# Altium PCB Drivers-BodePlot.PcbDoc (part 1 of 2) (continued)
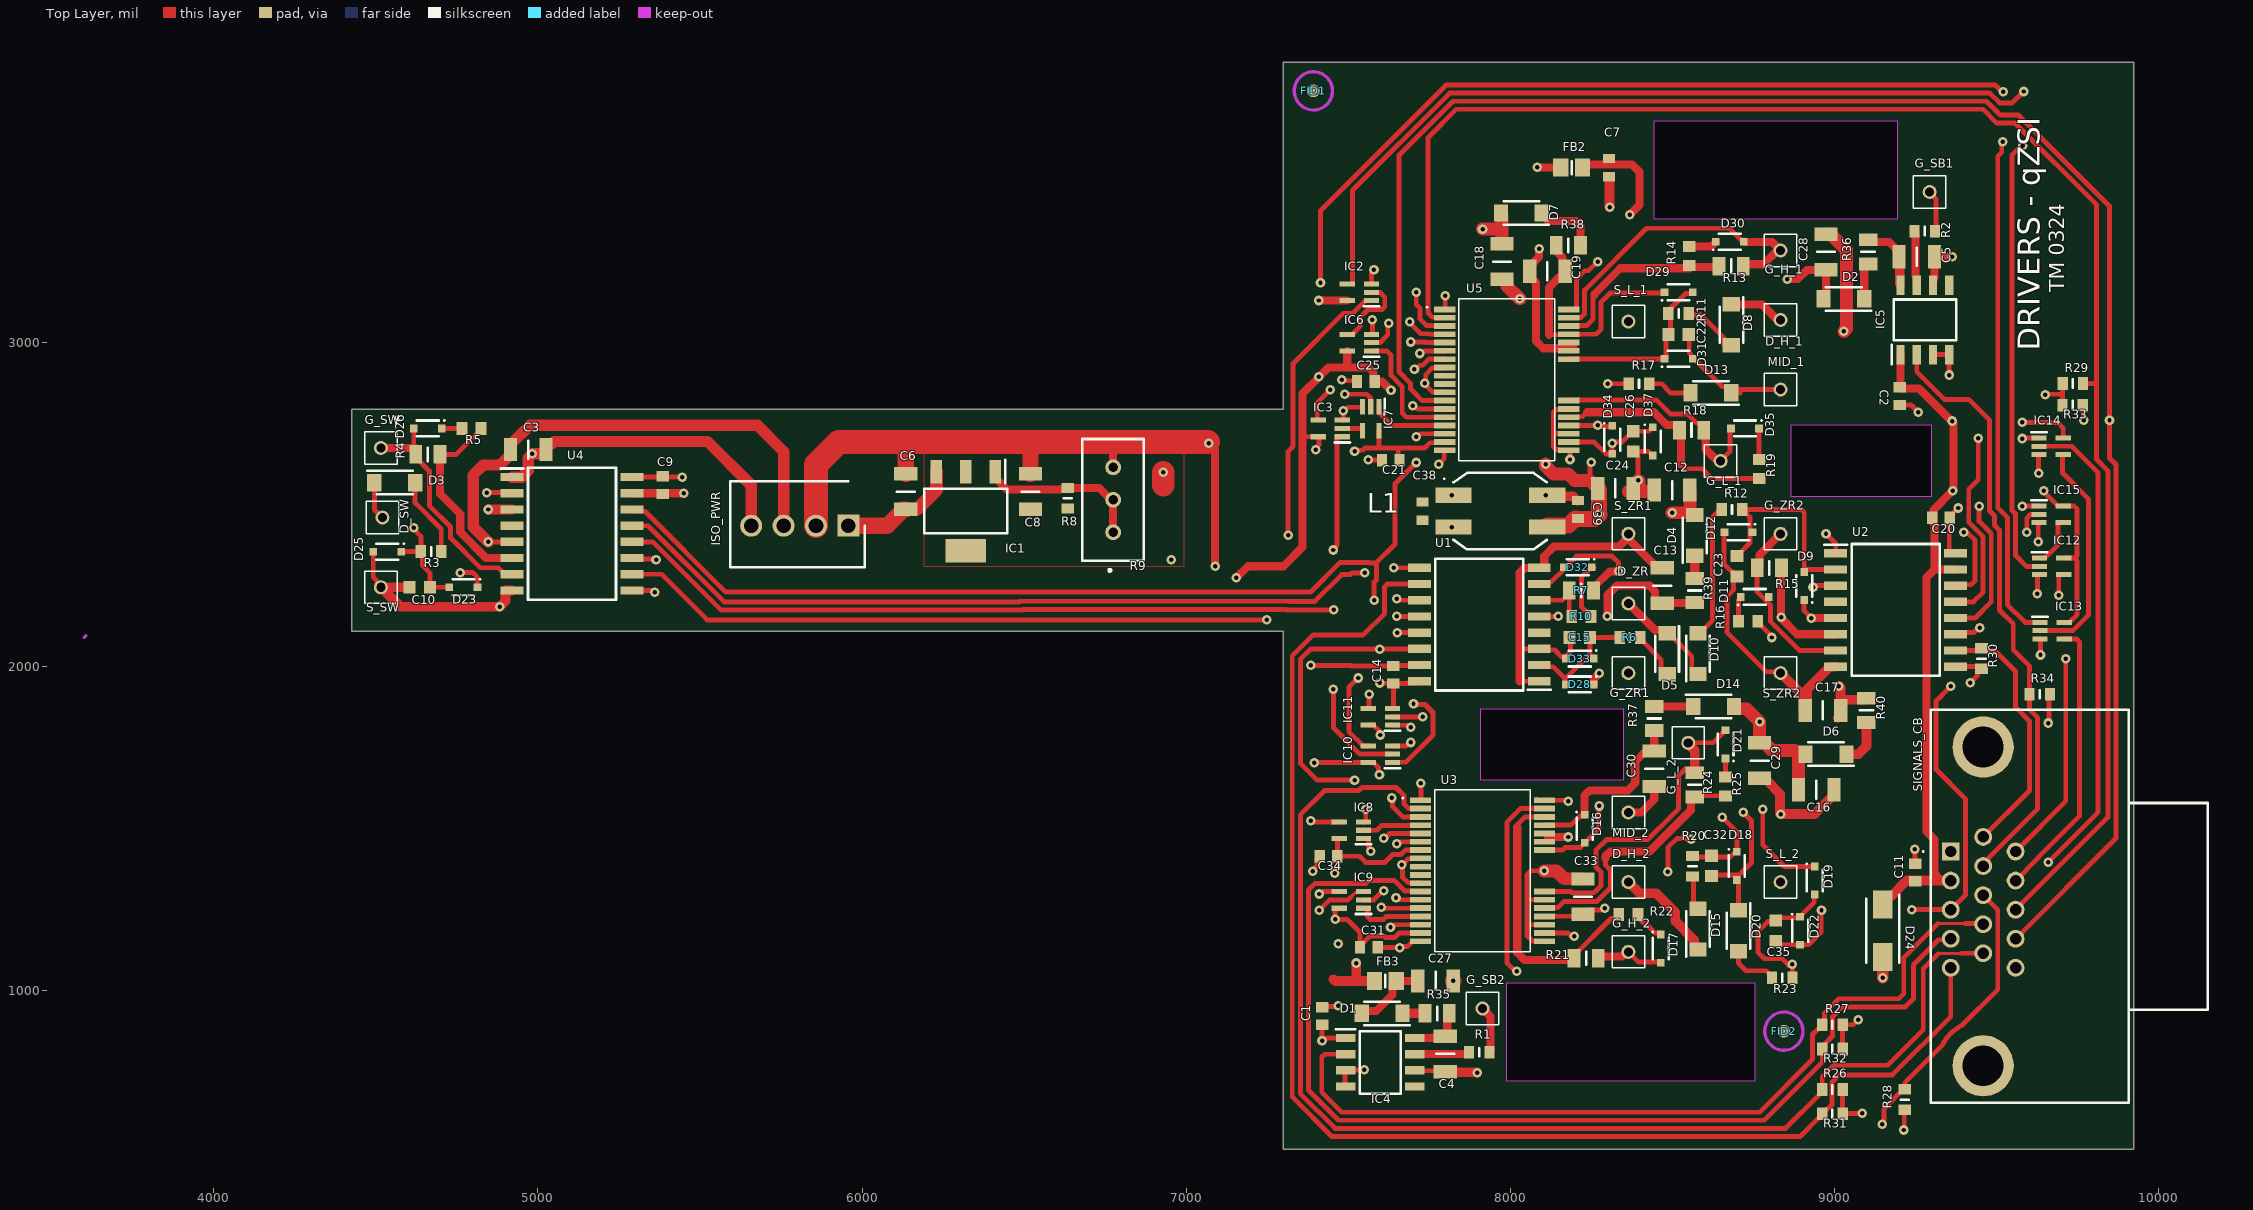
[diagram p0: Top Layer view]
## Components (designator, comment, footprint, x,y, rotation, side; value= is the part's Value field where it differs from the comment)
C1 "100n" CAPC1608X95N 7420,922.17 r90 top
C2 "100n" CAPC1608X95N 9202.76,2834.65 r270 top
C3 "1u 50V 1206" CAPC3216X180N 4970,2670 r180 top value=1u
C4 "1u 50V 1206" CAPC3216X180N 7800,805 r90 top value=1u
C5 "1u 50V 1206" CAPC3216X180N 9255,3265 r180 top value=1u
C6 "1u 50V 1206" CAPC3216X180N 6135,2540 r270 top value=1u
C7 "CGA3E2X7R1H103K080AA" CAPC1608X90N 8305,3540 r270 top value=10n
C8 "1u 50V 1206" CAPC3216X180N 6520,2540 r270 top value=1u
C9 "100n" CAPC1608X95N 5385,2560 r90 top
C10 "220p" C0603 4635,2245 r0 top
C11 "100n" CAPC1608X95N 9250,1365 r90 top
C12 "1u 50V 1206" CAPC3216X180N 8500,2545 r0 top value=1u
C13 "1u 50V 1206" CAPC3216X180N 8470,2250 r270 top value=1u
C14 "100n" CAPC1608X95N 7640,1975 r270 top
C15 "220p" C0603 8215,2090 r0 top
C16 "1u 50V 1206" CAPC3216X180N 8945,1620 r180 top value=1u
C17 "1u 50V 1206" CAPC3216X180N 8965.28,1865 r0 top value=1u
C18 "1u 50V 1206" CAPC3216X180N 7975,3250 r90 top value=1u
C19 "1u 50V 1206" CAPC3216X180N 8115,3220 r0 top value=1u
C20 "100n" CAPC1608X95N 9330,2460 r0 top
C21 "100n" CAPC1608X95N 7631.83,2637 r180 top
C22 "220p" C0603 8520,3025 r180 top
C23 "220p" C0603 8700,2310 r90 top
C24 "1u 50V 1206" CAPC3216X180N 8325,2550 r180 top value=1u
C25 "100n" CAPC1608X95N 7555,2880 r180 top
C26 "220p" C0603 8380,2695 r90 top
C27 "1u 50V 1206" CAPC3216X180N 7770,1030 r180 top value=1u
C28 "1u 50V 1206" CAPC3216X180N 8975,3280 r270 top value=1u
C29 "1u 50V 1206" CAPC3216X180N 8770,1710 r90 top value=1u
C30 "1u 50V 1206" CAPC3216X180N 8445,1685 r90 top value=1u
C31 "100n" CAPC1608X95N 7564,1134 r0 top
C32 "220p" C0603 8622,1384.95 r90 top
C33 "1u 50V 1206" CAPC3216X180N 8225,1290 r270 top value=1u
C34 "100n" CAPC1608X95N 7440,1415 r180 top
C35 "220p" C0603 8820,1185 r90 top
C36 "C1206C102KGRACAUTO" C1206 8025,3540 r180 bottom
C37 "C1206C102KGRACAUTO" C1206 7517.74,1032.74 r180 bottom
C38 "CGA3E2X7R1H103K080AA" CAPC1608X90N 7730,2480 r90 top value=10n
C39 "CGA3E2X7R1H103K080AA" CAPC1608X90N 8210,2485 r90 top value=10n
C40 "C1206C102KGRACAUTO" C1206 7760,2530 r180 bottom
C41 "C1206C102KGRACAUTO" C1206 7761.26,2430.79 r180 bottom
D1 "FUS1ME" SODFL3718X120N 7605,930 r180 top
D2 "FUS1ME" SODFL3718X120N 9030,3135 r180 top
D3 "FUS1ME" SODFL3718X120N 4558,2568 r0 top
D4 "FUS1ME" SODFL3718X120N 8570,2405 r90 top
D5 "FUS1ME" SODFL3718X120N 8485,2040 r270 top
D6 "FUS1ME" SODFL3718X120N 8975,1730 r180 top
D7 "FUS1ME" SODFL3718X120N 8035,3400 r180 top
D8 "FUS1ME" SODFL3718X120N 8683,3055 r270 top
D9 "BAT165AX" BAT165AX 8908,2249 r90 top
D10 "FUS1ME" SODFL3718X120N 8580,2040 r90 top
D11 "BAT165AX" BAT165AX 8755,2215 r0 top
D12 "BAT165AX" BAT165AX 8705,2415 r180 top
D13 "FUS1ME" SODFL3718X120N 8620,2845 r180 top
D14 "FUS1ME" SODFL3718X120N 8628,1877 r0 top
D15 "FUS1ME" SODFL3718X120N 8580,1190 r90 top
D16 "BAT165AX" BAT165AX 8230,1500 r270 top
D17 "BAT165AX" BAT165AX 8465,1130 r270 top
D18 "BAT165AX" BAT165AX 8700,1385 r270 top
D19 "BAT165AX" BAT165AX 8940,1340 r270 top
D20 "FUS1ME" SODFL3718X120N 8705,1185 r270 top
D21 "BAT165AX" BAT165AX 8665,1760 r90 top
D22 "BAT165AX" BAT165AX 8895,1185 r270 top
D23 "BAT165AX" BAT165AX 4770,2245 r180 top
D24 "SMAJ5.0A" DIOM5026X229N 9150,1185 r270 top
D25 "BAT165AX" BAT165AX 4535,2355 r180 top
D26 "BAT165AX" BAT165AX 4660,2735 r180 top
D28 "BAT165AX" BAT165AX 8215,1945 r180 top
D29 "BAT165AX" BAT165AX 8520,3155 r0 top
D30 "BAT165AX" BAT165AX 8678,3311 r0 top
D31 "BAT165AX" BAT165AX 8520,2950 r0 top
D32 "BAT165AX" BAT165AX 8209,2307 r180 top
D33 "BAT165AX" BAT165AX 8215,2025 r180 top
D34 "BAT165AX" BAT165AX 8315,2700 r270 top
D35 "BAT165AX" BAT165AX 8725,2735 r180 top
D37 "BAT165AX" BAT165AX 8440,2695 r270 top
D_H_1 "SS-101-T-2" SS-101-XX-2 8835,3070 r90 top locked
D_H_2 "SS-101-T-2" SS-101-XX-2 8365,1335 r0 top locked
D_SW "D_SW" SS-101-XX-2 4520,2460 r0 top
D_ZR "SS-101-T-2" SS-101-XX-2 8365,2195 r270 top locked
FB2 "78279220601" BEADC2012X110N 8190,3540 r0 top
FB3 "78279220601" BEADC2012X110N 7615,1030 r0 top
FID1 "Fiducial" Fiducial 7393,3777 r0 top
FID2 "Fiducial" Fiducial 8845,875 r0 top
G_H_1 "SS-101-T-2" SS-101-XX-2 8835,3284.57 r90 top locked
G_H_2 "SS-101-T-2" SS-101-XX-2 8365,1120 r0 top locked
G_L_1 "SS-101-T-2" SS-101-XX-2 8650,2635 r90 top locked
G_L_2 "SS-101-T-2" SS-101-XX-2 8550,1765 r0 top locked
G_SB1 "SS-101-T-2" SS-101-XX-2 9295,3465 r90 top locked
G_SB2 "SS-101-T-2" SS-101-XX-2 7915,945 r0 top locked
G_SW "G_SW" SS-101-XX-2 4515,2675 r0 top
G_ZR1 "SS-101-T-2" SS-101-XX-2 8365,1980 r90 top locked
G_ZR2 "SS-101-T-2" SS-101-XX-2 8835,2410 r0 top locked
IC1 "NCP1117LPSTADT3G" SOT230P700X180-4N 6320,2480 r270 top
IC2 "74LVC1G08GW,125" SOT65P210X110-5N 7535,3155 r180 top
IC3 "74LVC1G08GW,125" SOT65P210X110-5N 7445,2735 r180 top
IC4 "IRS2101" SOIC127P600X175-8N 7599.23,779 r0 top
IC5 "IRS2101" SOIC127P600X175-8N 9280,3070 r90 top
IC6 "74LVC1G08GW,125" SOT65P210X110-5N 7535,3000 r180 top
IC7 "74LVC1G08GW,125" SOT65P210X110-5N 7570,2765 r270 top
IC8 "74LVC1G08GW,125" SOT65P210X110-5N 7510,1495 r180 top
IC9 "74LVC1G08GW,125" SOT65P210X110-5N 7510,1280 r180 top
IC10 "74LVC1G08GW,125" SOT65P210X110-5N 7600,1730 r180 top
IC11 "74LVC1G08GW,125" SOT65P210X110-5N 7600,1845 r180 top
IC12 "74LVC1G08GW,125" SOT65P210X110-5N 9671.4,2309.59 r0 top
IC13 "74LVC1G08GW,125" SOT65P210X110-5N 9673,2111 r0 top
IC14 "74LVC1G08GW,125" SOT65P210X110-5N 9670,2680 r0 top
IC15 "74LVC1G08GW,125" SOT65P210X110-5N 9670,2470 r0 top
ISO_PWR "3-647050-4" SHDR4W66P0X254_1X4_1016X635X1079P 5958,2435 r180 top
L1 "50105AC" 50105AC 7970,2480 r0 top
MID_1 "SS-101-T-2" SS-101-XX-2 8835,2855 r90 top locked
MID_2 "SS-101-T-2" SS-101-XX-2 8365,1550 r0 top locked
R1 "CRCW0603150RFKEBC" RESC1608X55N 7905,810 r0 top value=150
R2 "CRCW0603150RFKEBC" RESC1608X55N 9280,3344 r0 top value=150
R3 "CRCW06031K00FKEAC" RESC1608X55N 4670,2355 r0 top value=1k
R4 "4R7 0805" RESC2012X60N 4660,2655 r180 top value=4R7
R5 "CRCW060310R0FKEAHP" RESC1608X50N 4795,2735 r180 top value=10
R6 "CRCW06031K00FKEAC" RESC1608X55N 8370,2090 r0 top value=1k
R7 "4R7 0805" RESC2012X60N 8220,2235 r0 top value=4R7
R8 "CRCW0603220RFKEAC" RESC1608X55N 6635,2520 r90 top value=220
R9 "5k" 3296W-1 6775,2515 r90 top
R10 "CRCW060310R0FKEAHP" RESC1608X50N 8220,2155 r0 top value=10
R11 "CRCW06031K00FKEAC" RESC1608X55N 8520,3090 r0 top value=1k
R12 "CRCW06031K00FKEAC" RESC1608X55N 8685,2485 r180 top value=1k
R13 "4R7 0805" RESC2012X60N 8682,3236 r0 top value=4R7
R14 "CRCW060310R0FKEAHP" RESC1608X50N 8553,3267 r90 top value=10
R15 "4R7 0805" RESC2012X60N 8800,2305 r180 top value=4R7
R16 "CRCW060310R0FKEAHP" RESC1608X50N 8735,2140 r180 top value=10
R17 "CRCW06031K00FKEAC" RESC1608X55N 8398,2873 r0 top value=1k
R18 "4R7 0805" RESC2012X60N 8560,2730 r0 top value=4R7
R19 "CRCW060310R0FKEAHP" RESC1608X50N 8769,2610 r90 top value=10
R20 "CRCW06031K00FKEAC" RESC1608X55N 8563,1384 r270 top value=1k
R21 "4R7 0805" RESC2012X60N 8235,1100 r0 top value=4R7
R22 "CRCW060310R0FKEAHP" RESC1608X50N 8365,1235 r0 top value=10
R23 "CRCW06031K00FKEAC" RESC1608X55N 8840,1040 r180 top value=1k
R24 "4R7 0805" RESC2012X60N 8570,1635 r90 top value=4R7
R25 "CRCW060310R0FKEAHP" RESC1608X50N 8665,1630 r90 top value=10
R26 "RMC1_16K1002FTP" RESC1608X55N 8995,695 r180 top value=10k
R27 "RMC1_16K1002FTP" RESC1608X55N 8995,895 r180 top value=10k
R28 "RMC1_16K1002FTP" RESC1608X55N 9218,664 r90 top value=10k
R29 "RMC1_16K1002FTP" RESC1608X55N 9737,2874 r0 top value=10k
R30 "RMC1_16K1002FTP" RESC1608X55N 9455,2025 r90 top value=10k
R31 "RMC1_16K1002FTP" RESC1608X55N 8995,620 r180 top value=10k
R32 "RMC1_16K1002FTP" RESC1608X55N 8995,820 r180 top value=10k
R33 "RMC1_16K1002FTP" RESC1608X55N 9736,2807 r0 top value=10k
R34 "RMC1_16K1002FTP" RESC1608X55N 9635,1915 r180 top value=10k
R35 "4R7 0805" RESC2012X60N 7775,930 r0 top
R36 "4R7 0805" RESC2012X60N 9105,3280 r90 top
R37 "4R7 0805" RESC2012X60N 8445,1840 r270 top
R38 "4R7 0805" RESC2012X60N 8180,3300 r180 top
R39 "4R7 0805" RESC2012X60N 8570,2235 r270 top
R40 "4R7 0805" RESC2012X60N 9100,1865 r90 top
S_L_1 "SS-101-T-2" SS-101-XX-2 8365,3065 r90 top locked
S_L_2 "SS-101-T-2" SS-101-XX-2 8835,1335 r0 top locked
S_SW "S_SW" SS-101-XX-2 4515,2245 r0 top
S_ZR1 "SS-101-T-2" SS-101-XX-2 8365,2410 r90 top locked
S_ZR2 "SS-101-T-2" SS-101-XX-2 8835,1980 r0 top locked
SIGNALS_CB "ICD15S13E6GL00LF" ICD15S13E6GL00LF 9360,1429.53 r90 top locked
U1 "1ED020I12B2XUMA1" SOIC127P1028X264-16N 7905,2130 r180 top locked
U2 "1ED020I12B2XUMA1" SOIC127P1028X264-16N 9190,2175 r0 top locked
U3 "2ED020I12F2XUMA1" 2ED020I12F2XUMA1 7915,1370 r0 top locked
U4 "1ED020I12B2XUMA1" SOIC127P1028X264-16N 5105,2410 r0 top
U5 "2ED020I12F2XUMA1" 2ED020I12F2XUMA1 7990,2885 r0 top locked

## Footprints (in the part's own frame and the unit in brackets; to place one, negate y for a bottom-side part, rotate by r counter-clockwise, add the part's x,y. Pads: shape width x height; smd on the part's side, far side on the other; paste and mask are expansions set on the pad)
2ED020I12F2XUMA1 [mm]
  rect 1.67x0.45 smd: 1(-4.865,5.525) 2(-4.865,4.875) 3(-4.865,4.225) 4(-4.865,3.575) 5(-4.865,2.925) 6(-4.865,2.275) 7(-4.865,1.625) 8(-4.865,0.975) 9(-4.865,0.325) 10(-4.865,-0.325) 11(-4.865,-0.975) 12(-4.865,-1.625) 13(-4.865,-2.275) 14(-4.865,-2.925) 15(-4.865,-3.575) 16(-4.865,-4.225) 17(-4.865,-4.875) 18(-4.865,-5.525) 19(4.865,-5.525) 20(4.865,-4.875) 21(4.865,-4.225) 22(4.865,-3.575) 23(4.865,-2.925) 24(4.865,-2.275) 25(4.865,-1.625) 30(4.865,1.625) 31(4.865,2.275) 32(4.865,2.925) 33(4.865,3.575) 34(4.865,4.225) 35(4.865,4.875) 36(4.865,5.525)
  silkscreen extent -6.3,-6.35 3.75,6.35
3296W-1 [mm]
  round 1.24 hole 0.74: 1(-2.54,0) 2(0,0) 3(2.54,0)
  silkscreen extent -5.64,-2.41 4.76,2.41, body extent -4.78,-2.48 4.78,2.35, height 11.55
50105AC [mm]
  rect 2.85x1.2 smd: 1(-3.675,1.25) 2(3.675,1.25) 3(3.675,-1.25) 4(-3.675,-1.25)
  silkscreen extent -4.44,-3 3.65,3, body extent -4.98,-3 4.98,3, height 4.9
BAT165AX [mm]
  rect 0.6x0.6 smd: 1(-1.1,0) 2(1.1,0)
  silkscreen extent -1.35,-0.67 0.85,0.63, body extent -1.24,-0.62 1.24,0.63, height 0.93
BEADC2012X110N [mm]
  rect 1.2x1.4 smd: 1(-0.85,0) 2(0.85,0)
  silkscreen extent 0,-0.5 0,0.5, body extent -1,-0.6 1,0.6, height 1.1
C0603 [mm]
  rect 0.95x1 smd: 1(-0.8,0) 2(0.8,0)
  body extent -0.87,-0.48 0.88,0.47, height 0.87
C1206 [mm]
  rect 1.15x1.8 smd: 1(-1.5,0) 2(1.5,0)
  silkscreen extent -2.4,-0.05 -2.3,0.05, body extent -1.7,-0.9 1.7,0.9, height 1.75
CAPC1608X90N [mm]
  rect 0.73x0.94 smd: 1(-0.71,0) 2(0.71,0)
  body extent -0.8,-0.4 0.8,0.4, height 0.9
CAPC1608X95N [mm]
  rect 0.81x0.99 smd: 1(-0.69,0) 2(0.69,0)
  body extent -0.82,-0.43 0.82,0.43, height 0.95
CAPC3216X180N [mm]
  rect 1.05x1.82 smd: 1(-1.39,0) 2(1.39,0)
  silkscreen extent 0,-0.7 0,0.7, body extent -1.6,-0.8 1.6,0.8, height 1.8
DIOM5026X229N [mm]
  rect 2.2x1.55 smd: 1(-2.05,0) 2(2.05,0)
  silkscreen extent -2.83,-1.3 2.52,1.3, body extent -2.52,-1.3 2.52,1.3, height 2.29
Fiducial [mm]
  round 1 smd paste-1 mask+1: 1(0,0)
  Top Layer keep-out circle w0.254: c0,0 r1.5
ICD15S13E6GL00LF [mm]
  rect 1.4x1.4 hole 0.9: 1(0,0)
  round 1.4 hole 0.9: 2(-2.28,0) 3(-4.56,0) 4(-6.84,0) 5(-9.12,0) 6(1.14,-2.54) 7(-1.14,-2.54) 8(-3.42,-2.54) 9(-5.7,-2.54) 10(-7.98,-2.54) 11(0,-5.08) 12(-2.28,-5.08) 13(-4.56,-5.08) 14(-6.84,-5.08) 15(-9.12,-5.08)
  round 4.8 hole 3.2: MH1(8.19,-2.54) MH2(-16.8,-2.54)
  silkscreen extent -19.71,-20.14 11.1,2.2, body extent -19.8,-20.02 11.19,1.56, height 12.55
RESC1608X50N [mm]
  rect 0.85x1 smd: 1(-0.75,0) 2(0.75,0)
  body extent -0.5,-0.25 0.5,0.25, height 0.35
RESC1608X55N [mm]
  rect 0.8x1 smd: 1(-0.8,0) 2(0.8,0)
  silkscreen extent 0,-0.33 0,0.33, body extent -0.8,-0.43 0.8,0.43, height 0.55
RESC2012X60N [mm]
  rect 1x1.45 smd: 1(-0.95,0) 2(0.95,0)
  silkscreen extent 0,-0.53 0,0.53, body extent -1,-0.63 1,0.63, height 0.5
SHDR4W66P0X254_1X4_1016X635X1079P [mm]
  rect 1.725x1.725 hole 1.15: 1(0,0)
  round 1.725 hole 1.15: 2(2.54,0) 3(5.08,0) 4(7.62,0)
  silkscreen extent -1.27,-3.48 9.27,3.25, body extent -1.28,-2.88 8.88,3.47, height 10.52
SODFL3718X120N [mm]
  rect 1.12x1.37 smd: 1(-1.6,0) 2(1.6,0)
  silkscreen extent -2.16,-0.92 1.4,0.92, body extent -1.85,-0.92 1.85,0.92, height 1.2
SOIC127P600X175-8N [mm]
  rect 1.525x0.65 smd: 1(-2.712,1.905) 2(-2.712,0.635) 3(-2.712,-0.635) 4(-2.712,-1.905) 5(2.712,-1.905) 6(2.712,-0.635) 7(2.712,0.635) 8(2.712,1.905)
  silkscreen extent -3.47,-2.45 1.6,2.58, body extent -3,-2.45 3,2.45, height 1.75
SOIC127P1028X264-16N [mm]
  rect 1.8x0.65 smd: 1(-4.7,4.445) 2(-4.7,3.175) 3(-4.7,1.905) 4(-4.7,0.635) 5(-4.7,-0.635) 6(-4.7,-1.905) 7(-4.7,-3.175) 8(-4.7,-4.445) 9(4.7,-4.445) 10(4.7,-3.175) 11(4.7,-1.905) 12(4.7,-0.635) 13(4.7,0.635) 14(4.7,1.905) 15(4.7,3.175) 16(4.7,4.445)
  silkscreen extent -5.6,-5.17 3.45,5.17, body extent -5.14,-5.17 5.14,5.17, height 2.64
SOT65P210X110-5N [mm]
  rect 1.2x0.4 smd: 1(-0.95,0.65) 2(-0.95,0) 3(-0.95,-0.65) 4(0.95,-0.65) 5(0.95,0.65)
  silkscreen extent -1.55,1.1 -0.35,1.1, body extent -1.05,-1.08 1.05,1.07, height 0.95
SOT230P700X180-4N [mm]
  rect 1.85x0.9 smd: 1(-3.1,2.3) 2(-3.1,0) 3(-3.1,-2.3)
  rect 1.85x3.2 smd: 4(3.1,0)
  silkscreen extent -4.03,-3.25 1.75,3.25, body extent -3.5,-3.25 3.5,3.25, height 1.8
SS-101-XX-2 [mm]
  round 1.1 hole 0.71: 1(0,0)
  silkscreen extent -1.27,-1.27 1.27,1.27

## Part data
C1 C2 C9 C11 C14 C20 C21 C25 C31 C34: library part EMK107B7104KA-T, "Capacitor", Manufacturer_Name="TAIYO YUDEN", Mouser Part Number=963-EMK107B7104KA-T, Arrow Part Number=EMK107B7104KA-T, Arrow Price/Stock=https://www.arrow.com/en/products/emk107b7104ka-t/taiyo-yuden, Datasheet Link=http://www.farnell.com/datasheets/746258.pdf, Height=0.95mm, Manufacturer_Part_Number=EMK107B7104KA-T, Mouser Price/Stock=https://www.mouser.co.uk/ProductDetail/Taiyo-Yuden/EMK107B7104KA-T?qs=I6KAKw0tg2ybqzX8hKPgfw%3D%3D
C3 C4 C5 C6 C8 C12 C13 C16 C17 C18 C19 C24 C27 C28 C29 C30 C33: library part C3216X7R1H105K160AE, "Capacitor", Manufacturer_Name=TDK, Mouser Part Number=810-C3216X7R1H105KST, Arrow Part Number=C3216X7R1H105K160AE, Arrow Price/Stock=https://www.arrow.com/en/products/c3216x7r1h105k160ae/tdk?region=nac, Datasheet Link=https://product.tdk.com/info/en/catalog/datasheets/mlcc_commercial_midvoltage_en.pdf, Height=1.8mm, Manufacturer_Part_Number=C3216X7R1H105K160AE, Mouser Price/Stock=https://www.mouser.co.uk/ProductDetail/TDK/C3216X7R1H105K160AE?qs=LcTL%2F5vFEzHWgMW0Em18fQ%3D%3D
C7 C38 C39: "Capacitor", Manufacturer_Name=TDK-Lambda, Mouser Part Number=810-CGA3E2X7R1H103K, Arrow Part Number=CGA3E2X7R1H103K080AA, Arrow Price/Stock=https://www.arrow.com/en/products/cga3e2x7r1h103k080aa/tdk?region=nac, Datasheet Link=http://docs-europe.electrocomponents.com/webdocs/14e9/0900766b814e9125.pdf, Height=0.9mm, Manufacturer_Part_Number=CGA3E2X7R1H103K080AA, Mouser Price/Stock=https://www.mouser.co.uk/ProductDetail/TDK/CGA3E2X7R1H103K080AA?qs=NRhsANhppD8MREuCb2mQKQ%3D%3D
C10 C15 C22 C23 C26 C32 C35: library part C0603C221J5HACAUTO, "Capacitor", Manufacturer_Name=KEMET, Mouser Part Number=80-C0603C221J5HAUTO, Datasheet Link=https://content.kemet.com/datasheets/KEM_C1007_X8R_ULTRA_150C_SMD.pdf, Height=0.87mm, Manufacturer_Part_Number=C0603C221J5HACAUTO, Mouser Price/Stock=https://www.mouser.co.uk/ProductDetail/KEMET/C0603C221J5HACAUTO?qs=j%252B1pi9TdxUZayjzZ3rh80g%3D%3D
C36 C37 C40 C41: "Capacitor", Manufacturer_Name=KEMET, Mouser Part Number=80-C1206C102KGRAUTO, Arrow Part Number=C1206C102KGRACAUTO, Arrow Price/Stock=https://www.arrow.com/en/products/c1206c102kgracauto/kemet-corporation?region=nac, Datasheet Link=https://content.kemet.com/datasheets/KEM_C1076_X7R_HV_AUTO_SMD.pdf, Manufacturer_Part_Number=C1206C102KGRACAUTO, Mouser Price/Stock=https://www.mouser.co.uk/ProductDetail/KEMET/C1206C102KGRACAUTO?qs=02kMkzikyGKenJNcwYLRQw%3D%3D
D1 D2 D3 D4 D5 D6 D7 D8 D10 D13 D14 D15 D20: "Diode", Manufacturer_Name="Diodes Incorporated", Mouser Part Number=621-FUS1ME, Datasheet Link=https://www.diodes.com/assets/Datasheets/FUS1ME.pdf, Height=1.2mm, Manufacturer_Part_Number=FUS1ME, Mouser Price/Stock=https://www.mouser.co.uk/ProductDetail/Diodes-Incorporated/FUS1ME?qs=Znm5pLBrcAI2lQqtoxHPBQ%3D%3D
D9 D11 D12 D16 D17 D18 D19 D21 D22 D23 D25 D26 D28 D29 D30 D31 D32 D33 D34 D35 D37: "Schottky Diode", Manufacturer_Name=Nexperia, Mouser Part Number=771-BAT165AX, Arrow Part Number=BAT165AX, Arrow Price/Stock=https://www.arrow.com/en/products/bat165ax/nexperia?region=nac, Datasheet Link=https://assets.nexperia.com/documents/data-sheet/BAT165A.pdf, Height=1.1mm, Manufacturer_Part_Number=BAT165AX, Mouser Price/Stock=https://www.mouser.co.uk/ProductDetail/Nexperia/BAT165AX?qs=1fQ7IOp4WriMQ9TlJoQ5jw%3D%3D
D24: "TVS Diode (Uni-directional)", Manufacturer_Name=LITTELFUSE, Mouser Part Number=576-SMAJ5.0A, Arrow Part Number=SMAJ5.0A, Arrow Price/Stock=https://www.arrow.com/en/products/smaj5.0a/littelfuse?region=europe, Datasheet Link=https://www.littelfuse.com/~/media/electronics/datasheets/tvs_diodes/littelfuse_tvs_diode_smaj_datasheet.pdf.pdf, Height=2.29mm, Manufacturer_Part_Number=SMAJ5.0A, Mouser Price/Stock=https://www.mouser.co.uk/ProductDetail/Littelfuse/SMAJ5.0A?qs=2VFNtWizgicfetZVA4gWHA%3D%3D
D_H_1 D_H_2 D_ZR G_H_1 G_H_2 G_L_1 G_L_2 G_SB1 G_SB2 G_ZR1 G_ZR2 MID_1 MID_2 S_L_1 S_L_2 S_ZR1 S_ZR2: "Connector", Manufacturer_Name=SAMTEC, Mouser Part Number=200-SS101T2, Arrow Part Number=SS-101-T-2, Arrow Price/Stock=https://www.arrow.com/en/products/ss-101-t-2/samtec, Datasheet Link=http://suddendocs.samtec.com/prints/sx-1xx-xx-xx-x-x-mkt.pdf, Manufacturer_Part_Number=SS-101-T-2, Mouser Price/Stock=https://www.mouser.co.uk/ProductDetail/Samtec/SS-101-T-2?qs=rU5fayqh%252BE1oUmnQsbG0BA%3D%3D
D_SW G_SW S_SW: library part SS-101-T-2, "Connector", Manufacturer_Name=SAMTEC, Mouser Part Number=200-SS101T2, Arrow Part Number=SS-101-T-2, Arrow Price/Stock=https://www.arrow.com/en/products/ss-101-t-2/samtec, Datasheet Link=http://suddendocs.samtec.com/prints/sx-1xx-xx-xx-x-x-mkt.pdf, Manufacturer_Part_Number=SS-101-T-2, Mouser Price/Stock=https://www.mouser.co.uk/ProductDetail/Samtec/SS-101-T-2?qs=rU5fayqh%252BE1oUmnQsbG0BA%3D%3D
FB2 FB3: "Ferrite Bead", Manufacturer_Name="Wurth Elektronik", Mouser Part Number=710-78279220601, Datasheet Link=https://www.mouser.de/datasheet/2/445/78279220601-2298574.pdf, Height=1.1mm, Manufacturer_Part_Number=78279220601, Mouser Price/Stock=https://www.mouser.co.uk/ProductDetail/Wurth-Elektronik/78279220601?qs=iLbezkQI%252BsjgiK1FovJqGg%3D%3D
IC1: "Integrated Circuit", Manufacturer_Name=onsemi, Mouser Part Number=863-NCP1117LPSTADT3G, Arrow Part Number=NCP1117LPSTADT3G, Arrow Price/Stock=https://www.arrow.com/en/products/ncp1117lpstadt3g/on-semiconductor?region=nac, Datasheet Link=http://www.onsemi.com/pub/Collateral/NCP1117LP-D.PDF, Height=1.8mm, Manufacturer_Part_Number=NCP1117LPSTADT3G, Mouser Price/Stock=https://www.mouser.co.uk/ProductDetail/onsemi/NCP1117LPSTADT3G?qs=kbSN2QblFfLHsV%252B%252BQZ5KoA%3D%3D
IC2 IC3 IC6 IC7 IC8 IC9 IC10 IC11 IC12 IC13 IC14 IC15: "Integrated Circuit", Manufacturer_Name=Nexperia, Mouser Part Number=771-74LVC1G08GW-G, Arrow Part Number=74LVC1G08GW,125, Arrow Price/Stock=https://www.arrow.com/en/products/74lvc1g08gw125/nexperia?region=nac, Datasheet Link=https://assets.nexperia.com/documents/data-sheet/74LVC1G08.pdf, Height=1.1mm, Manufacturer_Part_Number=74LVC1G08GW,125, Mouser Price/Stock=https://www.mouser.co.uk/ProductDetail/Nexperia/74LVC1G08GW125?qs=me8TqzrmIYVtW9TtT8QUhw%3D%3D
IC4 IC5: library part IRS2101STRPBF, "Integrated Circuit", Manufacturer_Name=Infineon, Mouser Part Number=942-IRS2101STRPBF, Arrow Part Number=IRS2101STRPBF, Arrow Price/Stock=https://www.arrow.com/en/products/irs2101strpbf/infineon-technologies-ag?region=nac, Datasheet Link=https://www.infineon.com/cms/en/product/power/gate-driver-ics/?, Height=1.75mm, Manufacturer_Part_Number=IRS2101STRPBF, Mouser Price/Stock=https://www.mouser.co.uk/ProductDetail/Infineon-Technologies/IRS2101STRPBF?qs=9%252BKlkBgLFf0%252B%252BiaV%252Bo1POw%3D%3D
ISO_PWR: "Connector", Manufacturer_Name="TE Connectivity", Mouser Part Number=571-3-647050-4, Arrow Part Number=3-647050-4, Arrow Price/Stock=https://www.arrow.com/en/products/3-647050-4/te-connectivity?region=nac, Datasheet Link=https://www.te.com/commerce/DocumentDelivery/DDEController?Action=showdoc&DocId=Customer+Drawing%7F647050%7FU%7Fpdf%7FEnglish%7FENG_CD_647050_U.pdf%7F3-647050-4, Height=10.79mm, Manufacturer_Part_Number=3-647050-4, Mouser Price/Stock=https://www.mouser.co.uk/ProductDetail/TE-Connectivity-AMP/3-647050-4?qs=W5ux9j661SoBsMK9vpa9%252BQ%3D%3D
L1: "Inductor", Manufacturer_Name="Murata Electronics", Mouser Part Number=580-50105AC, Arrow Part Number=50105AC, Arrow Price/Stock=https://www.arrow.com/en/products/50105ac/murata-manufacturing?region=nac, Datasheet Link=https://www.murata.com/products/productdata/8816046243870/kmp-5000ac.pdf?1660102215000, Height=4.8mm, Manufacturer_Part_Number=50105AC, Mouser Price/Stock=https://www.mouser.co.uk/ProductDetail/Murata-Power-Solutions/50105AC?qs=ulEaXIWI0c%2Fcrd1VVgrYEw%3D%3D
R1 R2: "Resistor", Manufacturer_Name=Vishay, Mouser Part Number=71-CRCW0603150RFKEBC, Arrow Part Number=CRCW0603150RFKEBC, Arrow Price/Stock=https://www.arrow.com/en/products/crcw0603150rfkebc/vishay?region=nac, Datasheet Link=https://www.arrow.com/en/products/crcw0603150rfkebc/vishay?region=nac, Height=0.55mm, Manufacturer_Part_Number=CRCW0603150RFKEBC, Mouser Price/Stock=https://www.mouser.co.uk/ProductDetail/Vishay-Dale/CRCW0603150RFKEBC?qs=wd5RIQLrsJhKPm2KOKYOfA%3D%3D
R3 R6 R11 R12 R17 R20 R23: "Resistor", Manufacturer_Name=Vishay, Mouser Part Number=71-CRCW06031K00FKEAC, Arrow Part Number=CRCW06031K00FKEAC, Arrow Price/Stock=https://www.arrow.com/en/products/crcw06031k00fkeac/vishay?region=nac, Datasheet Link=https://www.vishay.com/docs/28773/crcwce3.pdf, Height=0.55mm, Manufacturer_Part_Number=CRCW06031K00FKEAC, Mouser Price/Stock=https://www.mouser.co.uk/ProductDetail/Vishay-Dale/CRCW06031K00FKEAC?qs=E3Y5ESvWgWOQ7ePIWbGVFg%3D%3D
R4 R7 R13 R15 R18 R21 R24 R35 R36 R37 R38 R39 R40: library part CR0805-J_-4R7ELF, "Resistor", Manufacturer_Name=Bourns, Manufacturer_Part_Number=CR0805-J/-4R7ELF, Mouser Part Number=652-CR0805-J/-4R7ELF, Datasheet Link=https://www.bourns.com/pdfs/chpreztr.pdf, Height=0.6mm, Mouser Price/Stock=https://www.mouser.co.uk/ProductDetail/Bourns/CR0805-J-4R7ELF?qs=wL7NMIHXUPnU6BnKcjMBug%3D%3D
R5 R10 R14 R16 R19 R22 R25: "Resistor", Manufacturer_Name=Vishay, Mouser Part Number=71-CRCW060310R0FKEAH, Arrow Part Number=CRCW060310R0FKEAHP, Arrow Price/Stock=https://www.arrow.com/en/products/crcw060310r0fkeahp/vishay?region=nac, Datasheet Link=http://www.farnell.com/datasheets/1885357.pdf, Height=0.5mm, Manufacturer_Part_Number=CRCW060310R0FKEAHP, Mouser Price/Stock=https://www.mouser.co.uk/ProductDetail/Vishay-Dale/CRCW060310R0FKEAHP?qs=k2%2FDWSARqgHKJ7AdmQKyZw%3D%3D
R8: "Resistor", Manufacturer_Name=Vishay, Mouser Part Number=71-CRCW0603220RFKEAC, Arrow Part Number=CRCW0603220RFKEAC, Arrow Price/Stock=https://www.arrow.com/en/products/crcw0603220rfkeac/vishay?region=nac, Datasheet Link=http://www.vishay.com/docs/28773/crcwce3.pdf, Height=0.55mm, Manufacturer_Part_Number=CRCW0603220RFKEAC, Mouser Price/Stock=https://www.mouser.co.uk/ProductDetail/Vishay-Dale/CRCW0603220RFKEAC?qs=E3Y5ESvWgWOUrnKUP8Zt%2Fg%3D%3D
R9: library part 3296W-1-502LF, "Resistor", Manufacturer_Name=Bourns, Mouser Part Number=652-3296W-1-502LF, Arrow Part Number=3296W-1-502LF, Arrow Price/Stock=https://www.arrow.com/en/products/3296w-1-502lf/bourns?region=europe, Datasheet Link=https://componentsearchengine.com/Datasheets/2/3296W-1-502LF.pdf, Manufacturer_Part_Number=3296W-1-502LF, Mouser Price/Stock=https://www.mouser.co.uk/ProductDetail/Bourns/3296W-1-502LF?qs=zl1BDXJPZVrTnesl5BcuCQ%3D%3D
R26 R27 R28 R29 R30 R31 R32 R33 R34: "Resistor", Manufacturer_Name=Kamaya, Manufacturer_Part_Number=RMC1/16K1002FTP, Datasheet Link=https://componentsearchengine.com/Datasheets/1/RMC1_16K1002FTP.pdf, Height=0.55mm
SIGNALS_CB: "Connector", Manufacturer_Name="Amphenol Communications Solutions", Datasheet Link=https://cdn.amphenol-cs.com/media/wysiwyg/files/drawing/c-cd-0012.pdf, Height=12.96mm, Manufacturer_Part_Number=ICD15S13E6GL00LF, System=Connector
U1 U2 U4: "Integrated Circuit", Manufacturer_Name=Infineon, Mouser Part Number=726-1ED020I12B2XUMA1, Arrow Part Number=1ED020I12B2XUMA1, Arrow Price/Stock=https://www.arrow.com/en/products/1ed020i12b2xuma1/infineon-technologies-ag?region=nac, Datasheet Link=https://www.infineon.com/dgdl/Infineon-1ED020I12_B2-DS-v02_00-en.pdf?fileId=db3a304333227b5e013344bf16f84ca6, Height=2.64mm, Manufacturer_Part_Number=1ED020I12B2XUMA1, Mouser Price/Stock=https://www.mouser.co.uk/ProductDetail/Infineon-Technologies/1ED020I12B2XUMA1?qs=LxJ0xX%2FWJR5n74YhjSZS4A%3D%3D
U3 U5: "Integrated Circuit", Manufacturer_Name=Infineon, Mouser Part Number=726-2ED020I12F2XUMA1, Arrow Part Number=2ED020I12F2XUMA1, Arrow Price/Stock=https://www.arrow.com/en/products/2ed020i12f2xuma1/infineon-technologies-ag?region=nac, Datasheet Link=https://www.infineon.com/cms/en/product/power/gate-driver-ics/?, Height=2.65mm, Manufacturer_Part_Number=2ED020I12F2XUMA1, Mouser Price/Stock=https://www.mouser.co.uk/ProductDetail/Infineon-Technologies/2ED020I12F2XUMA1?qs=LxJ0xX%2FWJR6J8smgvJGfuA%3D%3D

## Via types
v1: diameter 29.53, hole 13.78, Top Layer to EARTH, tented top, 175 vias
v2: diameter 29.53, hole 13.78, Top Layer to EARTH, 1 vias

## Nets (pads, with @x,y where several pads share a name; then routed paths per layer and width w, separated by ;. In a path a pad name is that pad's centre, name@x,y a point inside that pad or via, vN(x,y) a via of type N, cw(c..) or ccw(c..) an arc to the next point about the centre after c; other vN are vias at no path point)
+5V: C1.1 C2.1 C9.1 C11.1 C14.1 C20.1 C21.1 C25.1 C31.1 C34.1 D24.1 IC2.5 IC3.5 IC4.1 IC5.1 IC6.5 IC7.5 IC8.5 IC9.5 IC10.5 IC11.5 IC12.5 IC13.5 IC14.5 IC15.5 SIGNALS_CB.2 U1.15 U2.15 U3.7 U3.17 U4.15 U5.7 U5.17 | length 13425.4
  Top Layer w15: 7357.41,2484.41 7360,2484.41 ; 7360,2710 7360.59,2709.41 IC3.5@7407.6,2709.41 ; v1(7385.23,2004) 7509.06,2004 7510.89,2002.17 C14.1@7640,2002.17 7641.42,2003.58 7718.54,2003.58 U1.15@7719.96,2005 ; v1(7396,1704) 7396.41,1704.41 IC10.5@7562.6,1704.41 7578.35,1704.41 7594.22,1688.54 7594.22,1668.78 v1(7597,1666) ; v1@7400,2673.93 7410,2683.93 IC3.5@7410,2709.04 ; C1.1@7420,895 7419.84,894.84 7419.84,845.16 v1(7419.68,845) 7423.62,845 7432.62,854 IC4.1@7492.46,854 ; v1(7459,1362.85) 7459,1366.79 7467.17,1374.95 C34.1@7467.17,1415 ; IC9.5@7472.6,1254.41 7460.37,1254.41 7460,1254.04 v1(7460,1220) 7460.26,1219.74 7497.26,1219.74 7536.83,1180.17 C31.1@7536.83,1137.54 ; IC8.5@7472.6,1469.41 7467.54,1469.41 7467.17,1469.04 C34.1@7467.17,1415 ; v1(7520,2665) 7522.78,2667.78 7544.99,2667.78 7551.73,2674.53 7595,2674.53 ; C31.1@7536.83,1134 C31.1@7536.83,1137.54 ; IC11.5@7562.6,1819.41 7578.35,1819.41 7597.22,1800.54 7597.22,1791.78 v1(7600,1789) ; IC7.5@7595.59,2727.6 7595.59,2675.12 7595,2674.53 ; 7655,2668.98 7655,2641 C21.1@7659,2637 ; v1(7705,2918) 7708.93,2918 7721.26,2930.33 7730.96,2930.33 7749.6,2948.98 U5.7@7798.46,2948.98 ; U3.17@7723.46,1178.07 7658.27,1178.07 7644.34,1164.13 7616.97,1164.13 7613.12,1167.99 7567.28,1167.99 C31.1@7536.83,1137.54 ; U3.7@7723.46,1433.98 7676.88,1433.98 7663.53,1420.63 7638.63,1420.63 7614,1396 7554.31,1396 7535.31,1415 C34.1@7467.17,1415 ; U5.17@7780,2691.12 7752.51,2691.12 7735.92,2674.53 7595,2674.53 ; v1(9581,2754) 9689.61,2754 9707.4,2736.21 IC14.5@9707.4,2705.59 ; v1(9647,2543) 9647,2540.24 9691.65,2495.59 9741.21,2495.59 9750,2486.8 9750,2343.06 9741.97,2335.03 ; IC12.5@9708.8,2335.18 9708.95,2335.03 9741.97,2335.03 ; IC13.5@9710.4,2136.59 9726.15,2136.59 9726.52,2136.96 9750,2160.44 9750,2327 9741.97,2335.03
  Top Layer w25: U4.15@5290.04,2535 v1(5450,2535) ; v1(7155,2275) 7156.23,2275 7191.19,2309.97 7300.48,2309.97 7360,2369.49 7360,2484.41 7360,2710 7360,2842.7 v1@7411.15,2893.85 ; v1(7410,2895) 7411.23,2895 7439.52,2923.29 7500,2923.29 ; v1(7410,3130) 7410.3,3129.7 7497.3,3129.7 IC2.5@7497.6,3129.41 ; IC6.5@7497.6,2974.41 7497.6,2925.69 7500,2923.29 ; C25.1@7582.17,2880 7578.72,2883.44 7578.72,2908.65 7564.08,2923.29 7500,2923.29 ; C25.1@7590.61,2880 7605.15,2880 7631.64,2853.51 v1(7632.51,2853.51) ; IC5.1@9205,2963.23 9205,2858 9262,2858 v1@9363.34,2756.66 ; C20.1@9302.83,2460 C20.1@9306.28,2456.56 ; 9325.53,1345.53 9309.94,1361.12 9309.94,1466.41 9285,1491.35 9285,2275 9310,2300 ; v1@9368,2752 9368,2546.23 9366,2544.23 v1(9366,2543) 9306.28,2483.28 C20.1@9306.28,2456.56 ; U2.15@9375.04,2300 9310,2300 ; C20.1@9306.28,2456.56 9306.28,2442.09 9310,2438.37 9310,2300
  Top Layer w30: D24.1@9150,1275.5 9165.51,1291.02 9175.31,1291.02 9224.06,1339.76 SIGNALS_CB.2@9360,1339.76
  Inner 2 w15: v1(7400,2670) 7474.6,2670 7475.24,2670.63 7480.87,2665 v1(7520,2665) ; v1(7597,1666) 7598.5,1667.5 7598.5,1787.5 v1(7600,1789) ; v1(9364.7,2758.01) 9367.48,2755.23 9399.66,2755.23 9400,2754.89 9580.11,2754.89 v1(9581,2754) ; v1(9366,2543) v1(9647,2543)
  Inner 2 w25: v1(5450,2535) 5450,2325 5520,2255 7135,2255 v1(7155,2275) ; v1(7410,2895) v1(7410,3130) ; v1(7632.51,2853.51) 7696.13,2917.13 7704.13,2917.13 v1(7705,2918)
  Inner 2 w50: v1(7155,2275) 7233.55,2275 7369.68,2138.86 7369.68,1610.7 7434.78,1545.61 7434.78,1395.85 7460.72,1369.91 7460.72,1220.72 7419.68,1179.68 7419.68,717.21 7507.21,629.68 8899.79,629.68 9289.76,1019.66 9289.76,1268.24 9360,1338.47 SIGNALS_CB.2@9360,1339.76
+15V_ISO2: C3.2 D23.1 ISO_PWR.3 U4.5 | length 1816.3
  Top Layer w15: v1(4760,2290) 4799.39,2290 4812.48,2276.91 4812.48,2249.31 4813.31,2248.48 D23.1@4813.31,2245 ; v1@4852.26,2385 U4.5@4919.96,2385
  Top Layer w35: v1(4846.8,2385) 4800,2431.8 4800,2591 4831.3,2622.3 4882.73,2622.3 4915.28,2654.84 C3.2@4915.28,2670 4918.44,2673.17 4918.44,2688.33 4975.12,2745 5677,2745 5758,2664 ISO_PWR.3@5758,2435
  Inner 2 w15: v1(4760,2290) 4844.02,2374.02 4844.02,2382.22 v1(4846.8,2385)
+15V_ISO3: C12.2 C16.2 C18.2 C24.2 C29.2 C33.2 C39.1 D4.2 D6.2 D7.2 D14.2 D19.1 D34.1 L1.3 U3.22 U5.22 | length 4787.5
  Top Layer w15: U3.22@8106.54,1229.25 8107.05,1229.76 8197.49,1229.76 C33.2@8198,1230.28 ; U5.22@8181.54,2744.25 8181.85,2744.57 v1@8270.68,2744.57 ; C33.2@8225,1235.28 8238.17,1248.44 v1@8281.99,1248.44 ; 8247.22,2573.06 8247.22,2628.22 v1(8250,2631) ; v1@8277.7,2741.3 8301.33,2741.3 ; D34.1@8315,2743.31 D34.1@8319.31,2739 ; v1(8487,1367) 8487,1442 8514.24,1469.24 8557.5,1469.24 v1(8559,1467.74) ; v1(8780,1560) 8780,1450 8846.69,1383.31 D19.1@8940,1383.31
  Top Layer w40: v1(7915,3350) 7975,3350 ; D7.2@7972.01,3400 7972.01,3395.08 7975,3392.09 7975,3350 ; C18.2@7975,3304.72 7975,3350 ; v1(8110,2625) 8110,2618.43 8133.43,2595 8178.78,2595 8198.78,2575 8245.28,2575 8247.22,2573.06 C24.2@8270.28,2550 C24.2@8274.61,2545.67 ; v1(8500,2475) 8554.72,2475 8554.72,2540 8555.39,2539.33 8555.39,2477.68 8565.08,2467.99 D4.2@8570,2467.99 ; D14.2@8693.04,1870.03 8729.97,1870.03 v1(8770,1830) 8770,1765.39 8770.51,1764.88 8785,1764.88 8809.37,1740.51 8879.84,1740.51 8890.35,1730 8890.31,1729.96 C16.2@8890.28,1620 C16.2@8890.28,1620
  Top Layer w50: L1.3@8114.68,2435.79 8180.79,2435.79 C39.1@8202.05,2457.05 ; C39.1@8210,2455.65 8260.65,2455.65 v1(8275,2470) 8274.61,2470.39 C24.2@8274.61,2545.67
  Inner 2 w15: v1@8250,2628.93 8271,2649.93 v1(8271,2744.88) ; v1(8292,1254) 8314,1232 8452,1232 8487,1267 v1(8487,1367)
  Inner 2 w25: v1(8559,1467.74) 8703.71,1467.74 8779.13,1543.16 8779.13,1559.13 v1(8780,1560)
  Inner 2 w40: v1(7915,3350) 7975.57,3289.43 7975.57,3119.43 8110,2985 v1(8110,2625) ; 8685,1940 8770,1855 v1(8770,1830) 8770,1570 v1(8780,1560)
  Inner 2 w50: v1(8275,2470) 8280,2475 v1(8500,2475) 8530.71,2475 8560,2445.71 8560,2065 8685,1940
+15V_ISO3_RAW: C6.2 C38.1 C41.1 IC1.3 ISO_PWR.1 L1.4 | length 2344.6
  Top Layer w40: C6.2@6119.17,2480.22 C6.2@6121.75,2480.22 ; C6.2@6135,2485.28 6135.67,2485.94 6170.94,2485.94 6229.45,2544.45 IC1.3@6229.45,2602.05
  Top Layer w50: ISO_PWR.1@5958,2435 6078.23,2435 6128.5,2485.28 C6.2@6135,2485.28
  Inner 2 w50: 7050,2455 7796.1,2455 v1(7820.32,2430.79)
  Inner 2 w75: ISO_PWR.1@5958,2435 6063,2330 6820,2330 6945,2455 7050,2455
+VGG: C7.1 C28.2 D2.2 FB2.2 | length 1138.8
  Top Layer w25: FB2.2@8226.14,3550 8376.88,3550 8400,3526.88 8400,3425 v1(8370,3395) ; v1(8855.87,3195.87) 8887.87,3195.87 8916.37,3224.37 8974.1,3224.37 C28.2@8975,3225.28 D2.2@8975,3140.28
  Inner 2 w25: v1(8370,3395) 8370,3350 8524.13,3195.87 v1(8855.87,3195.87)
+VGG_2: C27.2 D1.2 FB3.2 | length 233.2
  Top Layer w25: D1.2@7542.01,930 7548.92,936.91 7586.91,936.91 7637.34,987.34 7637.34,1018.88 FB3.2@7648.46,1030 C27.2@7715.28,1030
+VGG_RAW: C8.2 C36.1 C37.1 FB2.1 FB3.1 IC1.2 IC1.4 R8.1 | length 3975
  Top Layer w25: v1@8085.92,3540.13 8086.06,3540 FB2.1@8156.54,3540
  Top Layer w30: 7455,1035.28 7460.28,1030 7525,1030 ; v1(7524.69,1085.31) 7525,1085 7525,1030 ; FB3.1@7581.54,1030 7525,1030
  Top Layer w70: 6930,2560 v1(6930,2600)
  Inner 2 w25: v1(6930,2600) 6930,2675 7015,2760 7310.52,2760 7335,2784.48 7335,3340 7510,3515 7977,3515 8003,3541 v1(8083.83,3541) ; v1(6955,2330) 7057.3,2330 7092.06,2364.76 7319,2364.76 7493.33,2190.44 7493.33,1907.67 7482.74,1897.09 7482.74,1614.32 7517.28,1579.79 7517.28,1430.03 7543.22,1404.08 7543.22,1105.07 7524.69,1086.54 v1(7524.69,1085.31)
D_H_1: C5.1 D8.1 D_H_1.1 IC5.6 | length 932.5
  Top Layer w25: D8.1@8679.01,3117.99 8777.17,3117.99 8825.16,3070 D_H_1.1@8835,3070 ; IC5.6@9304.7,3176.48 IC5.6@9305,3176.77 9305,3194 9309.72,3198.72 C5.1@9309.72,3265 v1(9365,3265)
  Inner 2 w25: D_H_1.1@8835,3070 8930.87,3165.87 9150.87,3165.87 9249.13,3264.13 9364.13,3264.13 v1(9365,3265)
D_H_2: C4.1 D15.1 D_H_2.1 IC4.6 | length 1456.6
  Top Layer w15: IC4.6@7700.5,748.5 7696,753 C4.1@7792.67,753
  Top Layer w30: C4.1@7800,750.28 7801.76,748.51 7896.35,748.51 v1(7898.11,746.75) ; D_H_2.1@8365,1335 8399.21,1300.79 8450.21,1300.79 8510,1241 8510,1215 8568.03,1156.97 8568.03,1134.06 8575.08,1127.01 D15.1@8580,1127.01
  Inner 2 w20: v1(7898.11,746.75) 7960,808.64 7960,1052.5 8142.5,1235 8142.5,1325
  Inner 2 w25: 8142.5,1325 8142.5,1327.5 8170,1355 8345,1355 D_H_2.1@8365,1335
D_L_1: C19.1 C22.1 D13.1 D31.2 MID_1.1 U5.31 U5.32 U5.36 | length 1970.7
  Top Layer w15: U5.36@8181.54,3102.52 8203.64,3102.52 8205,3103.88 8205,3196 8230.61,3221.61 8241.61,3221.61 v1(8270,3250) ; C22.1@8552.95,3025 8552.95,2968.1 8559,2962.05 8559,2959.31 8563.31,2955 8567.62,2950.69 8654.68,2863.63 8696.02,2863.63 8707.15,2852.5 ; D13.1@8702.15,2852.5 8704.65,2850 8709.65,2845 ; 8709.65,2855 MID_1.1@8835,2855
  Top Layer w25: v1(8090,3290) 8089.13,3289.13 8089.13,3264.02 8060.28,3235.16 8060.28,3204.84 8080,3185.12 8080,3005 8102.5,2982.5 8179.04,2982.5 8181.54,2985 8195,2985
  Inner 2 w40: v1(8090,3290) 8230,3290 v1(8270,3250) 8341.58,3250 8459.08,3132.5 8582.5,3132.5 8834.37,2880.63 8834.37,2855.63 MID_1.1@8835,2855
D_L_2: C30.1 C32.1 D18.2 D20.1 MID_2.1 U3.31 U3.32 U3.36 | length 1415.3
  Top Layer w15: U3.36@8081.16,1591.21 8081.16,1588.88 8082.52,1587.52 U3.36@8094.53,1587.52 ; U3.36@8106.54,1587.52 8177.48,1587.52 v1(8180,1585) ; C32.1@8622,1357.05 8697.66,1357.05 ; 8700,1356.69 8705,1351.69 8705,1341.69 D20.1@8705,1269.65 ; 8707.71,1357.71 8745,1395 8745,1525 v1(8720,1550)
  Top Layer w25: 8117,1473 8118.29,1474.29 v1(8180,1474.29) ; MID_2.1@8365,1550 8405,1550 8445,1590 C30.1@8445,1630.28
  Inner 2 w15: MID_2.1@8356.42,1550.58 8356.76,1550.58 8377.22,1530.12 8377.22,1529.78 8407,1500 8685,1500 8717.22,1532.22 8717.22,1547.22 v1(8720,1550)
  Inner 2 w25: v1(8180,1585) v1(8180,1474.29) 8181.23,1474.29 8186.93,1480 8295,1480 MID_2.1@8365,1550
D_SW: D3.1 D_SW.1 | length 119.9
  Top Layer w15: D3.1@4495,2569.55 4495,2485 D_SW.1@4520,2460
D_ZR: D5.1 D10.1 D_ZR.1 | length 329.2
  Top Layer w15: D5.1@8485,2102.99 8489.92,2102.99 8560.53,2032.38 8560.53,1991.56 8575.08,1977.01 D10.1@8580,1977.01
  Top Layer w25: D_ZR.1@8365,2195 8447.46,2112.54 8475.45,2112.54 D5.1@8485,2102.99
DGND: C1.2 C2.2 C9.2 C11.2 C14.2 C20.2 C21.2 C25.2 C31.2 C34.2 D24.2 IC2.3 IC3.3 IC4.3 IC4.4 IC5.3 IC5.4 IC6.3 IC7.3 IC8.3 IC9.3 IC10.3 IC11.3 IC12.3 IC13.3 IC14.3 IC15.3 R26.1 R27.1 R28.1 R29.1 R30.1 R31.1 R32.1 R33.1 R34.1 SIGNALS_CB.1 SIGNALS_CB.15 U1.9 U1.11 U1.16 U2.9 U2.11 U2.16 U3.1 U3.3 U3.8 U3.11 U3.13 U3.18 U4.9 U4.11 U4.16 U5.1 U5.3 U5.8 U5.11 U5.13 U5.18 | length 4046.5
  Top Layer w10: 7509.28,1290 7509.28,1290.34 7521.65,1302.72 7544.53,1302.72 IC9.3@7547.4,1305.59
  Top Layer w15: U4.9@5290.04,2235 5351.07,2235 5356.07,2230 v1(5360,2230) ; U4.11@5290.04,2335 5292.93,2332.11 5361.55,2332.11 v1(5364.33,2329.33) ; U4.16@5290.04,2585 v1(5445,2585) ; v1(7391,1369) 7391,1372.93 7404.39,1386.32 7404.39,1406.56 C34.2@7412.83,1415 ; v1(7410.96,1248) 7442.36,1279.41 7498.69,1279.41 7509.28,1290 ; C1.2@7420,949.33 7421.84,951.17 7468.16,951.17 v1(7470,953.01) ; v1(7480,2885) 7482.5,2882.5 7525.33,2882.5 C25.2@7527.83,2880 C25.2@7527.83,2876.46 ; IC3.3@7482.4,2760.59 7484.63,2760.59 7485,2760.96 v1(7485,2790) 7488.93,2790 7499.35,2800.42 7544.04,2800.42 7544.04,2802.03 IC7.3@7544.41,2802.4 ; IC4.4@7491,702.04 IC4.3@7491,749.63 ; IC4.3@7504.46,756 7505.46,755 7549,755 v1(7550,756) ; IC8.3@7547.4,1520.59 7554.17,1520.59 7554.54,1520.96 v1(7554.54,1559.83) ; v1(7561.83,2639) 7562.83,2638 7603.67,2638 C21.2@7604.67,2637 ; IC6.3@7572.4,3025.59 7574.63,3025.59 7575,3025.96 v1(7575,3070) ; IC2.3@7572.4,3180.59 7572.4,3213.47 7580,3221.07 v1(7580,3225) ; C31.2@7591.17,1134 7591.67,1133.5 7659.5,1133.5 v1(7660,1133) 7662.78,1135.78 7682.75,1135.78 7699.45,1152.48 U3.18@7723.46,1152.48 ; v1(7597.26,1949.6) 7598.14,1948.72 7639.12,1948.72 C14.2@7640,1947.83 ; v1(7634.69,1594.69) 7637.47,1591.91 7637.47,1567.53 7668.66,1536.34 U3.3@7723.46,1536.34 ; IC10.3@7637.4,1755.59 7679.66,1755.59 7690.07,1766 v1(7694,1766) ; IC11.3@7637.4,1870.59 7639.63,1870.59 7640,1870.96 C14.2@7640,1947.83 ; v1(7641,2305) U1.9@7719.96,2305 ; v1(7648,1286.52) 7651.93,1286.52 7658.01,1280.43 U3.13@7723.46,1280.43 ; v1(7650,2210) 7653.93,2210 7658.93,2205 U1.11@7719.96,2205 ; v1@7665,1390 7668.43,1390 7685.46,1407.03 7722.11,1407.03 U3.8@7723.46,1408.39 ; v1(7665.17,1388.41) 7667.75,1385.83 7667.75,1350.68 7685.46,1332.97 7722.11,1332.97 U3.11@7723.46,1331.61 ; U3.1@7699.45,1587.52 U3.1@7723.46,1587.52 7723.64,1587.52 7725,1588.88 v1(7725,1640) ; v1(7700,2805) 7703.93,2805 7713.71,2795.22 7798.25,2795.22 U5.13@7798.46,2795.43 ; v1(7710,3155) 7710.3,3154.7 7710.3,3117.74 7722.26,3105.77 7722.26,3072.74 7741.71,3053.29 7758.05,3053.29 7759.41,3051.93 7797.87,3051.93 U5.3@7798.46,3051.34 ; U1.16@7719.96,1955 7714.67,1949.7 7683.86,1949.7 7681.99,1947.83 C14.2@7640,1947.83 ; U3.3@7746.89,1535.75 U3.3@7748.84,1537.7 ; v1(7780,2625) 7797.11,2642.11 7797.11,2666.12 U5.18@7798.46,2667.48 ; U5.11@7798.46,2846.61 7797.11,2847.97 7760.46,2847.97 7737,2871.43 v1(7737,2875) 7739.78,2877.78 7739.78,2901.35 7760.46,2922.03 7797.11,2922.03 U5.8@7798.46,2923.39 ; U5.1@7798.46,3102.52 7798.64,3102.52 7800,3103.88 v1(7800,3145) ; R26.1@9026.5,695 R31.1@9026.5,620 9027.5,621 9086.5,621 v1(9087.5,622) ; R32.1@9026.5,820 R27.1@9026.5,895 9059.19,895 9074.5,910.31 v1(9074.69,910.31) ; C2.2@9202.76,2807.48 9237.52,2807.48 v1(9260,2785) ; v1(9215,570) 9216.5,571.5 9216.5,631 R28.1@9218,632.5 ; v1(9249,1437) 9249.5,1436.5 9249.5,1392.67 C11.2@9250,1392.17 ; IC5.3@9305,2963.23 IC5.4@9355,2963.23 v1(9355,2900) ; C20.2@9357.17,2460 9355.31,2458.15 9355.31,2355.3 9360.61,2350 U2.16@9375.04,2350 ; C20.2@9357.17,2463.54 v1(9383.21,2489.59) ; U2.11@9372.15,2097.11 U2.11@9375.04,2100 9380.33,2105.3 9431.36,2105.3 9446.07,2120 v1(9450,2120) ; U2.9@9375.04,2000 9448.5,2000 R30.1@9455,1993.5 9451.07,1993.5 9442.82,1985.26 9442.82,1972.82 v1(9420,1950) ; IC12.3@9623.05,2284 IC12.3@9634,2284 ; IC12.3@9626.89,2284 9627.26,2283.63 v1(9627.26,2224.96) ; v1(9630,2385) IC15.3@9630,2444.78 ; v1(9631,2597) 9631,2654.04 IC14.3@9635.22,2654.04 ; IC13.3@9635.6,2085.41 9636.63,2085.41 9637,2085.04 v1(9637,2036) ; v1(9651,2839) 9652.5,2840.5 9705,2840.5 ; v1(9661,1826) 9663.75,1828.75 9663.75,1912.25 R34.1@9666.5,1915 ; R33.1@9696.26,2794.81 9704.5,2803.06 R33.1@9704.5,2807 9705,2807.5 9705,2840.5 ; R29.1@9705.5,2874 9705,2873.5 9705,2840.5 ; R29.1@9706,2874 R29.1@9713.75,2881.75
  Top Layer w35: v2(9150,1040) D24.2@9150,1104.29
EARTH: C36.2 C37.2 C40.2 C41.2 SIGNALS_CB.MH1 SIGNALS_CB.MH2
FLT: IC13.4 SIGNALS_CB.12 | length 868.7
  Top Layer w15: SIGNALS_CB.12@9560,1339.76 9628.92,1408.69 9628.92,1410.18 9757,1538.26 9757,2076.62 9748.21,2085.41 IC13.4@9710.4,2085.41
FLT_1: IC3.2 IC7.4 | length 69.7
  Top Layer w15: IC3.2@7482.78,2735.37 IC3.2@7482.4,2735 7544.04,2735 7544.41,2734.63 IC7.4@7544.41,2727.6
FLT_2: IC9.4 IC14.2 | length 4996
  Top Layer w15: v1(7410.96,1298.33) 7414.89,1298.33 7422.15,1305.59 IC9.4@7472.6,1305.59 ; IC14.2@9632.6,2680 9733.81,2680 9815,2598.81 9815,1550.63 v1(9661.19,1396.81)
  Inner 2 w15: v1(7410.96,1298.33) 7408.93,1298.33 7377.18,1266.58 7377.18,732.71 7377.18,698.71 7488.71,587.18 8932.18,587.18 9370.41,1025.41 9578.66,1025.41 9661.19,1107.94 v1(9661.19,1396.81)
FLT_FD: IC11.1 U4.13 | length 2990.6
  Top Layer w15: U4.13@5290.04,2435 5339.64,2435 5574.64,2200 6484.01,2200 6485.72,2201.71 7318.66,2201.71 7318.8,2201.58 7397.69,2201.58 7480.11,2284 7506.73,2284 7512.22,2289.49 v1(7551.49,2289.49) ; IC11.1@7637.4,1819.41 7637.78,1819.04 7683.44,1819.04 7689.74,1812.74 v1(7693.67,1812.74)
  Inner 2 w15: v1(7551.49,2289.49) 7551.49,2285.56 7558.76,2278.3 7558.76,2276.24 7617.74,2217.26 7617.74,2079.16 7629.53,2067.36 7629.53,1876.88 v1(7693.67,1812.74)